# Altium PCB ALCT_MEZ_LX100.PcbDoc (part 7 of 10) (continued)
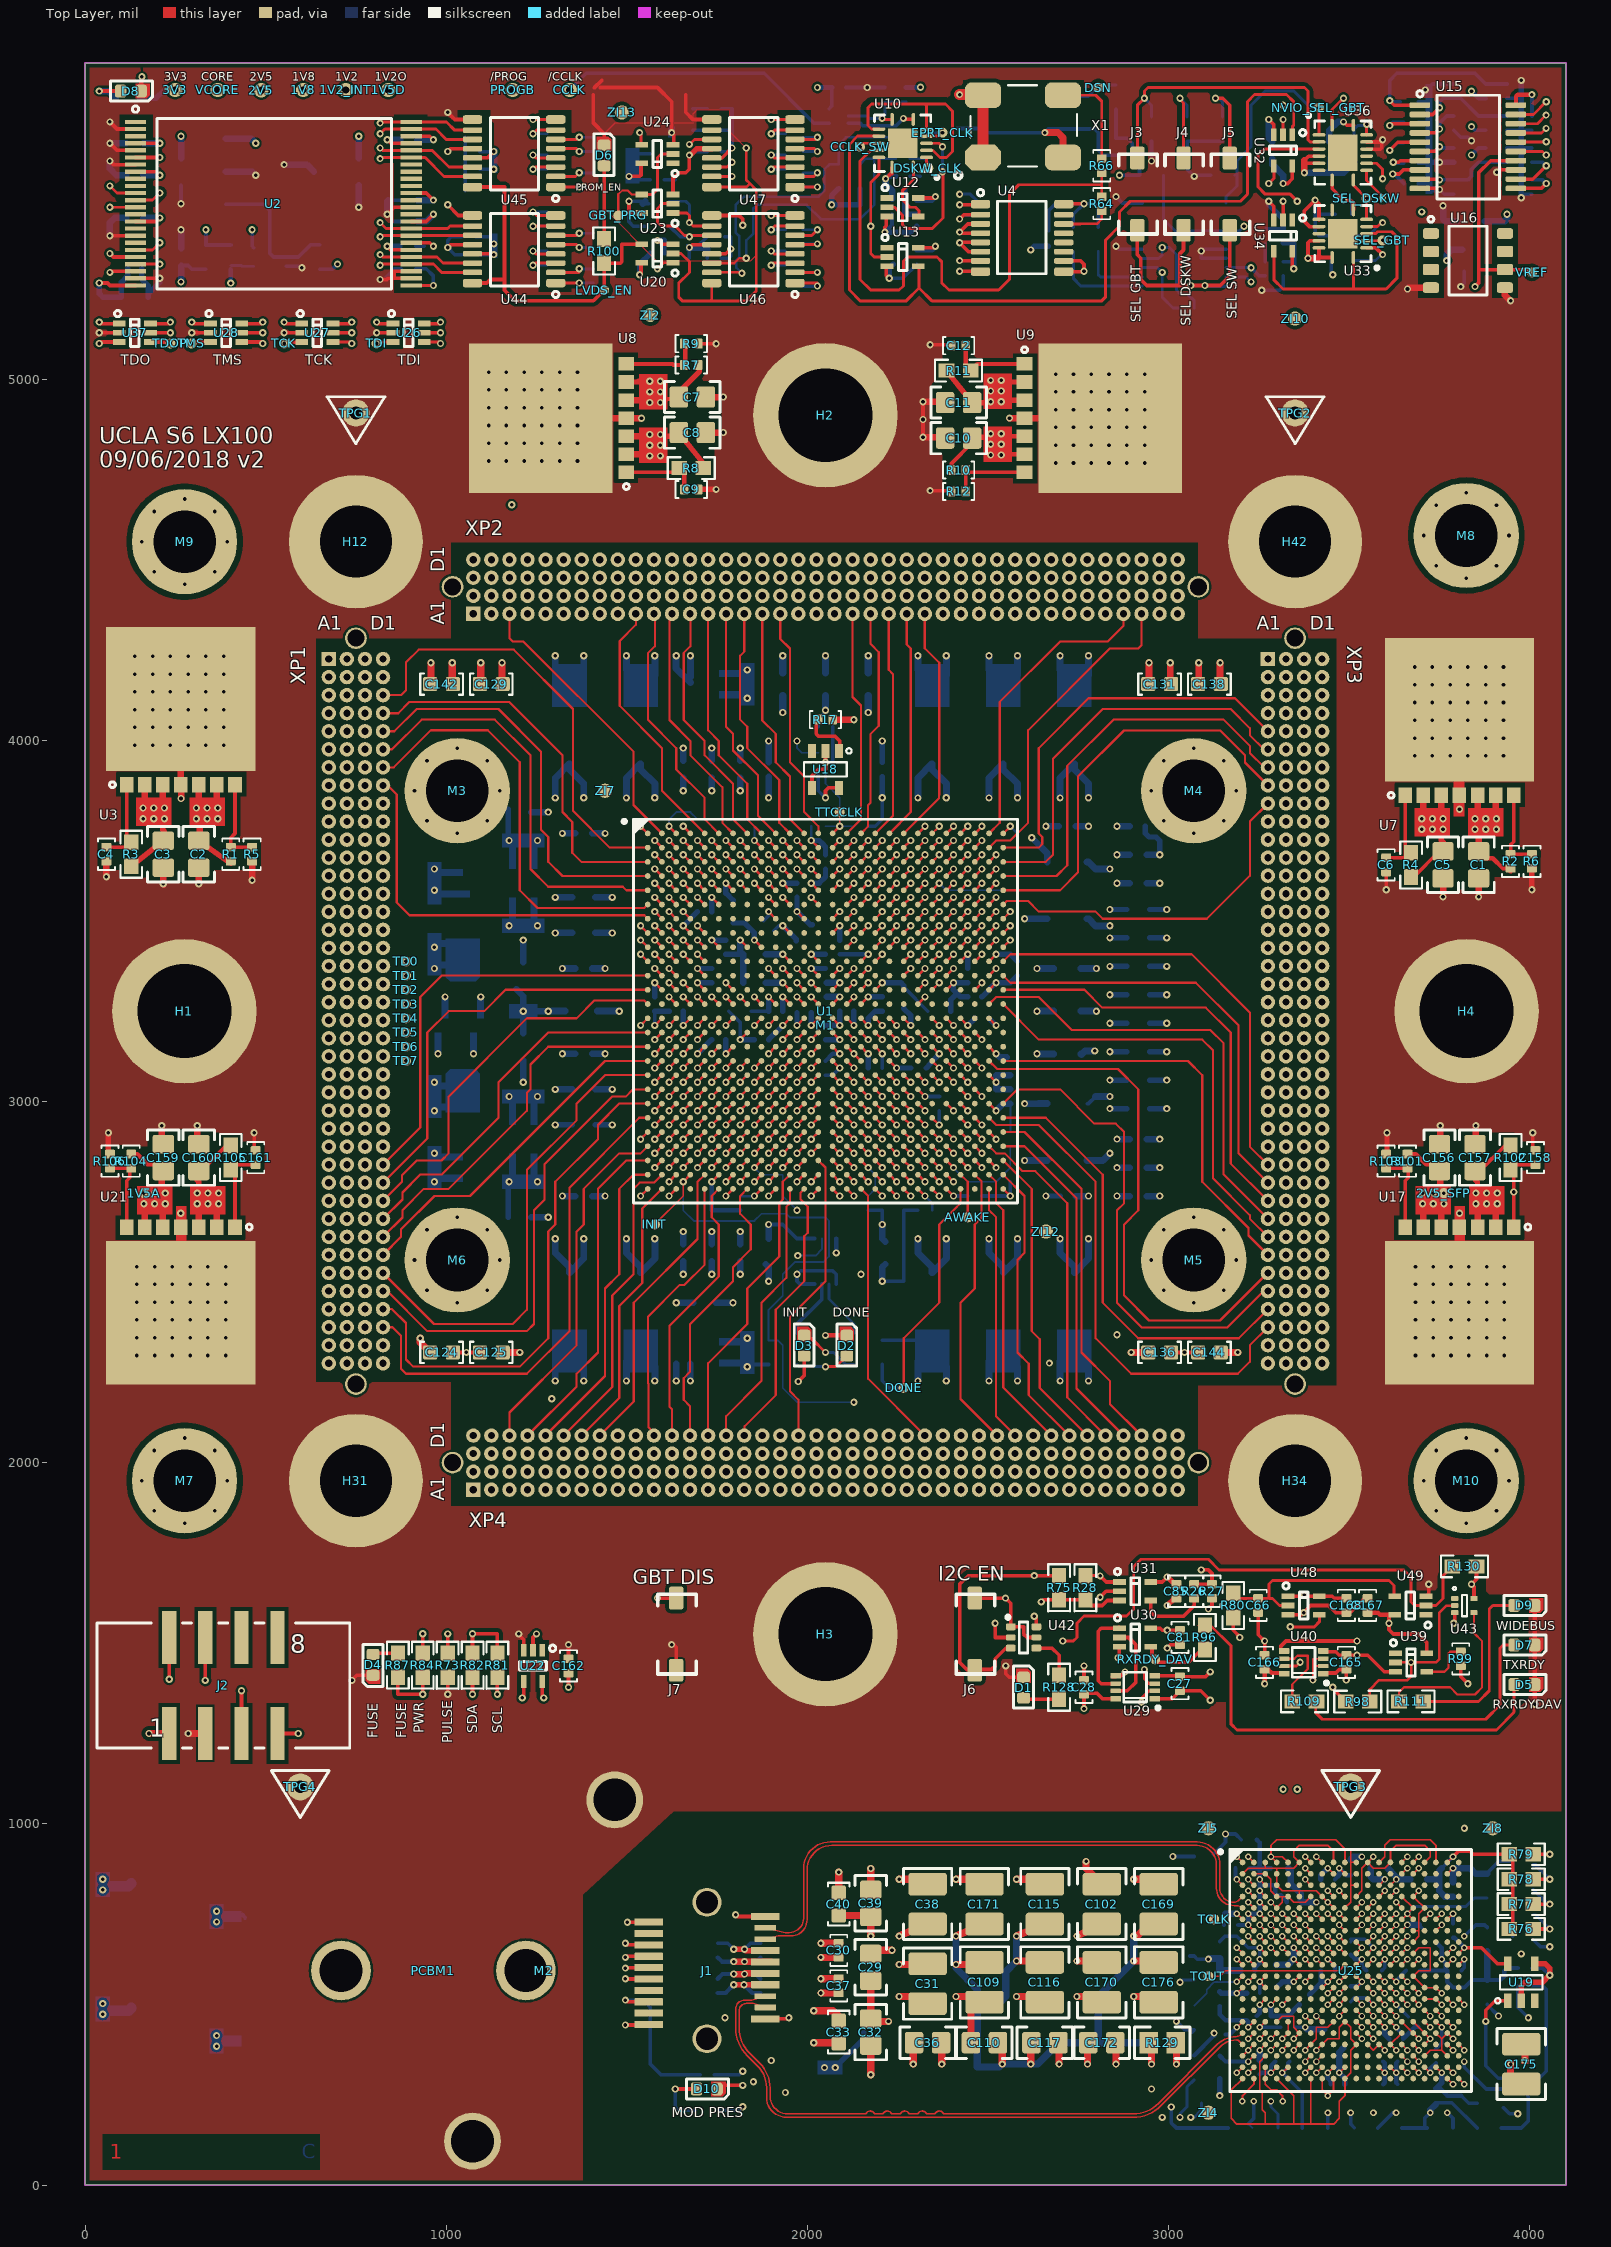
[diagram p0: Top Layer view]
## Nets (pads, with @x,y where several pads share a name; then routed paths per layer and width w, separated by ;. In a path a pad name is that pad's centre, name@x,y a point inside that pad or via, vN(x,y) a via of type N, cw(c..) or ccw(c..) an arc to the next point about the centre after c; other vN are vias at no path point) (continued)
  Mid-Layer 6 w5: v1(206.69,5318.31) 190.16,5318.31 167.32,5295.47 167.32,5098.62 196.85,5069.09 462.6,5069.09 v1(492.13,5098.62)
  Mid-Layer 10 w5: v1(206.69,5318.31) 223.23,5334.84 659.45,5334.84 660.91,5336.31 719.97,5336.31 787.4,5403.74 787.4,5521.85 954.72,5689.17 1102.36,5689.17 1161.22,5748.03 1250,5748.03 1259.84,5738.19 1259.84,5216.73 1250,5206.89 1250,5059.25 1240.16,5049.41 1240.16,4625.98 1220.47,4606.3 993.9,4606.3 947.64,4560.04 947.64,4362.2 927.95,4342.52 927.95,4076.77 947.64,4057.09 1912.2,4057.09 1931.89,4037.4 1931.89,3899.61 2050,3781.5 2050,3624.02 2424.02,3624.02 2424.02,3663.39 v1(2443.7,3683.07)
TMS_Pr: TMS.1 U28.3 U35.9 XP2.C7 | length 5152.8
  Top Layer w10: v1(295.28,5098.62) 299.21,5102.56 U28.3@347.11,5102.56
  Mid-Layer 2 w5: XP2.C7@1375,4450 1400,4475 1400,4608.86 1427.17,4636.02 1427.17,5059.25 1407.48,5078.94 1377.95,5078.94 1318.9,5078.94 669.29,5078.94 659.45,5088.78 659.45,5167.52 649.61,5177.36 413.39,5177.36 403.54,5167.52 403.54,5108.46 393.7,5098.62 v1(295.28,5098.62) 285.43,5098.62 275.59,5108.46 275.59,5177.36 295.28,5197.05 895.67,5197.05 915.35,5177.36 1053.15,5177.36 1072.83,5197.05 3156.3,5197.05 v1(3228.35,5269.09)
  Bottom Layer w8: U35.9@3159.45,5282.87 3214.57,5282.87 v1(3228.35,5269.09)
ttc_cfg: R65.1 U14.4 | length 2134.2
  Mid-Layer 8 w5: v1(1971.26,3998.03) 1950,4019.29 1950,4528.94 1978.35,4557.28 2362.24,4557.28 2460.63,4655.67 2460.63,5502.17 2450.79,5512.01 v1(2421.26,5512.01)
  Bottom Layer w5: v1(1971.26,3998.03) 1971.26,3978.35 1984.06,3965.55 U14.4@2030.32,3965.55
  Bottom Layer w8: v1(2421.26,5512.01) 2450.79,5512.01 R65.1@2470.47,5492.32
ttc_cfg_term: R65.2 U4.2 | length 116.3
  Top Layer w10: v1(2421.26,5443.11) 2433.27,5455.12 U4.2@2479.33,5455.12
  Bottom Layer w8: v1(2421.26,5443.11) 2431.1,5452.95 R65.2@2470.47,5452.95
tx_dav_done: R26.1 U31.4 | length 188.4
  Top Layer w10: U31.4@2950.79,1618.31 2950.79,1586.81 2962.6,1575 3041.34,1575 3070.87,1604.53 R26.1@3070.87,1624.21
tx_dav_done_lv: R26.2 R27.1 U25.N11 | length 2630.4
  Top Layer w5: U25.N11@3519.69,515.16 v2(3535.43,499.41)
  Top Layer w10: R26.2@3070.87,1663.58 R27.1@3110.24,1663.58 ; v1(3090.55,1702.95) 3110.24,1702.95 3120.08,1693.11 R27.1@3120.08,1663.58
  Mid-Layer 4 w4: 2992.13,1407.68 3100.39,1299.41 3434.25,1299.41 3582.93,1150.74 3582.93,609.65 3582.68,609.65 3551.18,578.15 3551.18,515.16 v2(3535.43,499.41)
  Mid-Layer 4 w5: 2992.13,1407.68 2984.86,1407.68 2947.37,1445.16 2882.17,1445.16 2875.68,1438.67 2796.74,1438.67 2795.28,1437.2 2775.59,1456.89 2775.59,1702.95 2795.28,1722.64 2893.7,1722.64 2933.07,1683.27 2933.07,1525.79 2951.07,1507.79 3001.97,1507.79 3051.18,1557 3051.18,1663.58 v1(3090.55,1702.95)
unused1: U1.Y21
unused2: U1.AA22
unused5: U1.R10
unused6: U1.T9
unused7: U1.T8
unused8: U1.R7
unused9: U1.R6
unused10: U1.P8
unused11: U1.R9
unused12: U1.M10
unused13: U1.M9
unused14: U1.M8
unused15: U1.L4
unused16: U1.M6
unused17: U1.L7
unused18: U1.L6
unused19: U1.K8
unused20: U1.L8
unused21: U1.N2
unused22: U1.K7
unused23: U1.K6
unused24: U1.J7
unused25: U1.H7
unused26: U1.K10
unused27: U1.L9
unused28: U1.H6
unused29: U1.J10
unused30: U1.K9
unused31: U1.G6
unused32: U1.G5
unused33: U1.H8
unused34: U1.G7
unused35: U1.G8
unused36: U1.F7
unused37: U1.F9
unused38: U1.J14
unused39: U1.G16
unused40: U1.W22
VREF: C25.1 R19.2 U15.14 U16.6 VREF.1 | length 692.8
  Top Layer w10: v1(3848.43,5256.1) 3858.27,5265.94 3858.27,5303.15 ; U15.14@3961.61,5604.72 3891.93,5604.72 3858.27,5571.06 3858.27,5303.15 ; VREF.1@4005.91,5295.47 3998.23,5303.15 U16.6@3931.24,5303.15 3858.27,5303.15
  Bottom Layer w10: v1(3848.43,5256.1) 3858.27,5265.94 C25.1@3858.27,5298.62 R19.2@3858.27,5357.68
VTfpga: R17.1 U18.1 | length 141
  Top Layer w10: R17.1@2024.41,4057.09 2024.41,4017.53 2030.32,4011.62 2075.78,4011.62 2089.37,3998.03 2089.37,3972.44 U18.1@2087.4,3970.47
VTfpga_adc: C20.1 R17.2 U15.11 | length 3094.8
  Top Layer w10: U15.11@3961.61,5527.95 4031.69,5527.95 v1(4045.28,5541.54)
  Top Layer w18: R17.2@2075.59,4057.09 v1(2128.74,4057.09)
  Mid-Layer 4 w15: 2135.83,4596.65 3021.65,4596.65 3080.71,4655.71 3080.71,5069.09 3159.45,5147.83 3651.58,5147.83 3700.79,5197.05 v3(3700.79,5462.8)
  Mid-Layer 4 w18: v1(2128.74,4057.09) 2128.74,4251
  Mid-Layer 8 w15: v3(3700.79,5462.8) 3720.47,5443.11 3769.69,5443.11 3868.11,5541.54 v1(4045.28,5541.54)
  Bottom Layer w10: C20.1@4005.91,5551.38 4035.43,5551.38 v1(4045.28,5541.54)
VTgbtx: R18.1 U19.1 | length 688.3
  Top Layer w10: v3(3877.95,452.95) 3877.95,483.66 3904.32,510.04 U19.1@3938.98,510.04
  Mid-Layer 2 w10: v3(3877.95,452.95) v3@3881.1,452.95
  Bottom Layer w10: v3(3877.95,452.95) 3877.95,330.13 3912.6,295.47 4025.59,295.47 4045.28,315.16 4045.28,541.54 4035.43,551.38 R18.1@4005.91,551.38
VTgbtx_adc: C21.1 R18.2 U15.12 | length 5491.8
  Top Layer w10: U15.12@3961.61,5553.54 4008.07,5553.54 v1(4045.28,5590.75)
  Mid-Layer 6 w10: v1(3996.06,462.8) 4055.12,462.8 4078,485.68 4078,961.57 4055.12,984.45 4055.12,1210.83 4055.12,3494.29 4055.12,3691.14 4055.12,5275.79 4005.91,5325 4005.91,5561.22 4035.43,5590.75 v1(4045.28,5590.75)
  Bottom Layer w10: R18.2@3966.54,551.38 3966.54,492.32 v1(3996.06,462.8) ; C21.1@4005.91,5600.59 4035.43,5600.59 v1(4045.28,5590.75)
XP1A_3: U1.E4 XP1.A3 | length 1423.3
  Top Layer w7: v1(1656.3,3604.33) U1.E4@1675.98,3584.65
  Mid-Layer 4 w5: XP1.A3@675,4125 700,4150 1130.32,4150 1341.34,3938.98 1341.34,3830.71 1400.39,3771.65 1400.39,3604.33 1420.08,3584.65 1636.61,3584.65 v1(1656.3,3604.33)
XP1A_4: U1.F5 XP1.A4 | length 1431.4
  Top Layer w7: v1(1695.67,3564.96) U1.F5@1715.35,3545.28
  Mid-Layer 6 w5: XP1.A4@675,4075 700,4100 1249.21,4100 1469.29,3879.92 1469.29,3622.33 1506.98,3584.65 1675.98,3584.65 v1(1695.67,3564.96)
XP1A_5: U1.G4 XP1.A5 | length 1398.1
  Top Layer w7: v1(1656.3,3525.59) U1.G4@1675.98,3505.91
  Mid-Layer 6 w5: XP1.A5@675,4025 700,4050 1210.63,4050 1410.24,3850.39 1410.24,3574.8 1439.58,3545.46 1488.79,3545.46 1488.98,3545.28 1636.61,3545.28 v1(1656.3,3525.59)
XP1A_6: U1.H5 XP1.A6 | length 1427.3
  Top Layer w7: v1(1695.67,3486.22) U1.H5@1715.35,3466.54
  Mid-Layer 6 w5: XP1.A6@675,3975 700,4000 1201.58,4000 1351.18,3850.39 1351.18,3584.65 1429.92,3505.91 1675.98,3505.91 v1(1695.67,3486.22)
XP1A_7: U1.J3 XP1.A7 | length 1400.7
  Top Layer w7: v1(1616.93,3446.85) U1.J3@1636.61,3427.16
  Mid-Layer 6 w5: XP1.A7@675,3925 700,3950 867.72,3950 888.58,3929.13 888.58,3594.49 967.32,3515.75 1321.65,3515.75 1390.37,3447.04 1489.16,3447.04 1508.66,3466.54 1597.24,3466.54 v1(1616.93,3446.85)
XP1A_8: U1.K1 XP1.A8 | length 1286.7
  Top Layer w7: v1(1538.19,3407.48) U1.K1@1557.87,3387.79
  Mid-Layer 4 w5: XP1.A8@675,3875 700,3850 850,3850 875,3825 875,3480.12 947.64,3407.48 v1(1538.19,3407.48)
XP1A_22: U1.K3 XP1.A22 | length 1066.1
  Top Layer w7: v1(1616.93,3407.48) U1.K3@1636.61,3387.79
  Mid-Layer 4 w5: XP1.A22@675,3175 700,3200 850,3200 860.63,3210.63 1124.8,3210.63 1301.97,3387.8 1597.24,3387.8 v1(1616.93,3407.48)
XP1A_23: U1.U4 XP1.A23 | length 1054.8
  Top Layer w7: v1(1656.3,3092.52) U1.U4@1675.98,3112.2
  Mid-Layer 10 w5: XP1.A23@675,3125 699.5,3100.5 850,3100.5 857.98,3092.52 882.48,3092.52 ; 898.43,3092.52 882.48,3092.52 ; v1@1656.3,3092.52 1636.61,3112.2 967.32,3112.2 947.64,3092.52 882.48,3092.52
XP1A_29: U1.J4 XP1.A29 | length 1531.9
  Top Layer w7: v1(1656.3,3446.85) U1.J4@1675.98,3427.16
  Mid-Layer 6 w5: XP1.A29@675,2825 700,2850 852.76,2850 908.27,2905.51 908.27,3358.27 947.64,3397.64 996.85,3397.64 1026.38,3427.17 1636.61,3427.17 v1(1656.3,3446.85)
XP1A_30: U1.K5 XP1.A30 | length 1546.9
  Top Layer w7: v1(1695.67,3407.48) U1.K5@1715.35,3387.79
  Mid-Layer 6 w5: XP1.A30@675,2775 700,2800 851.97,2800 947.64,2895.67 947.64,3299.21 1036.22,3387.8 1675.98,3387.8 v1(1695.67,3407.48)
XP1A_31: U1.L3 XP1.A31 | length 1443.7
  Top Layer w7: v1(1616.93,3368.11) U1.L3@1636.61,3348.42
  Mid-Layer 6 w5: XP1.A31@675,2725 700,2750 861.02,2750 937.8,2826.77 937.8,2856.3 995.17,2913.67 995.17,3238.47 1105.12,3348.43 1361.02,3348.43 1597.24,3348.43 v1(1616.93,3368.11)
XP1A_32: U1.N5 XP1.A32 | length 1492.3
  Top Layer w7: v1(1695.67,3289.37) U1.N5@1715.35,3269.68
  Mid-Layer 6 w5: XP1.A32@675,2675 700,2700 850.39,2700 1026.38,2875.98 1026.38,3171.26 1164.17,3309.06 1675.98,3309.06 v1(1695.67,3289.37)
XP1A_33: U1.N6 XP1.A33 | length 1558.1
  Top Layer w7: v1(1735.04,3289.37) U1.N6@1754.72,3269.68
  Mid-Layer 6 w5: XP1.A33@675,2625 700.5,2650.5 869.79,2650.5 1057.59,2838.3 1057.59,3143.42 1203.54,3289.37 1538.19,3289.37 1557.87,3269.69 1715.35,3269.69 v1(1735.04,3289.37)
XP1A_34: U1.N7 XP1.A34 | length 1595.1
  Top Layer w7: v1(1774.41,3289.37) U1.N7@1794.09,3269.68
  Mid-Layer 6 w5: XP1.A34@675,2575 700,2600 858.66,2600 1114.96,2856.3 1114.96,3122.05 1262.6,3269.69 1518.51,3269.69 1538.19,3250 1735.04,3250 v1(1774.41,3289.37)
XP1A_35: U1.N8 XP1.A35 | length 1980.3
  Top Layer w7: v1(1813.78,3289.37) U1.N8@1833.46,3269.68
  Mid-Layer 6 w5: XP1.A35@675,2525 700,2550 850.39,2550 888.58,2511.81 888.58,2482.28 947.64,2423.23 1114.96,2423.23 1193.7,2501.97 1193.7,3141.73 1282.28,3230.32 1754.72,3230.32 v1(1813.78,3289.37)
XP1A_36: U1.P7 XP1.A36 | length 1860.2
  Top Layer w7: v1(1774.41,3210.63) U1.P7@1794.09,3230.31
  Mid-Layer 6 w5: XP1.A36@675,2475 700,2500 841.34,2500 937.8,2403.54 1124.8,2403.54 1242.91,2521.65 1242.91,2718.5 1233.07,2728.35 1233.07,3092.52 1331.5,3190.95 1754.72,3190.95 v1(1774.41,3210.63)
XP1A_37: U1.R5 XP1.A37 | length 1744.8
  Top Layer w7: v1(1695.67,3171.26) U1.R5@1715.35,3190.94
  Mid-Layer 6 w5: XP1.A37@675,2425 700,2450 850,2450 925.98,2374.02 1134.65,2374.02 1282.28,2521.65 1282.28,2629.92 1301.97,2649.61 1301.97,2728.35 1272.44,2757.87 1272.44,2954.72 1331.5,3013.78 1331.5,3082.68 1400.39,3151.57 1675.98,3151.57 v1(1695.67,3171.26)
XP1A_38: U1.W3 XP1.A38 | length 1594.9
  Top Layer w7: v1(1616.93,3013.78) U1.W3@1636.61,3033.46
  Mid-Layer 4 w5: XP1.A38@675,2375 700,2350 843.7,2350 947.64,2246.06 1203.54,2246.06 1479.13,2521.65 1479.13,2639.76 1498.82,2659.45 1498.82,2679.13 1498.82,2974.41 1518.5,2994.09 1597.24,2994.09 v1(1616.93,3013.78)
XP1B_3: U1.G3 XP1.B3 | length 1358.3
  Top Layer w7: v1(1616.93,3525.59) U1.G3@1636.61,3505.91
  Mid-Layer 4 w5: XP1.B3@725,4125 750.5,4099.5 1141.45,4099.5 1252.76,3988.19 1252.76,3760.13 1339.65,3673.23 1339.65,3576.49 1370.68,3545.46 1597.06,3545.46 v1(1616.93,3525.59)
XP1B_4: U1.H3 XP1.B4 | length 1377
  Top Layer w7: v1(1616.93,3486.22) U1.H3@1636.61,3466.54
  Mid-Layer 4 w5: XP1.B4@725,4075 750,4050 1151.58,4050 1213.39,3988.19 1213.39,3624.02 1321.65,3515.75 1508.66,3515.75 1518.51,3505.9 1597.24,3505.9 v1(1616.93,3486.22)
XP1B_5: U1.J5 XP1.B5 | length 1526.9
  Top Layer w7: v1(1695.67,3446.85) U1.J5@1715.35,3427.16
  Mid-Layer 4 w5: XP1.B5@725,4025 750.5,3999.5 850,3999.5 878.06,4027.56 1134.65,4027.56 1193.7,3968.5 1193.7,3781.5 1144.49,3732.28 1144.49,3633.86 1292.31,3486.04 1479.13,3486.04 1498.82,3466.35 1676.17,3466.35 v1(1695.67,3446.85)
XP1B_6: U1.J1 XP1.B6 | length 1442
  Top Layer w7: v1(1538.19,3446.85) U1.J1@1557.87,3427.16
  Mid-Layer 4 w5: XP1.B6@725,3975 750,3950 860.24,3950 908.27,3998.03 1134.65,3998.03 1166.43,3966.25 1166.43,3793.59 1114.96,3742.13 1114.96,3505.91 1154.33,3466.54 1223.23,3466.54 1242.91,3446.85 v1(1538.19,3446.85)
XP1B_7: U1.J2 XP1.B7 | length 1279.9
  Top Layer w7: v1(1577.56,3446.85) U1.J2@1597.24,3427.16
  Mid-Layer 4 w5: XP1.B7@725,3925 750.5,3899.5 835.15,3899.5 903.3,3831.35 903.3,3515 973.14,3445.16 1179.77,3445.16 1197.59,3427.35 1558.06,3427.35 v1(1577.56,3446.85)
XP1B_8: U1.H1 XP1.B8 | length 1120
  Top Layer w7: v1(1538.19,3486.22) U1.H1@1557.87,3466.54
  Mid-Layer 2 w5: XP1.B8@725,3875 750,3850 850,3850 875,3825 875,3651.51 1059.98,3466.54 1272.44,3466.54 1292.13,3486.22 v1(1538.19,3486.22)
XP1B_22: U1.M3 XP1.B22 | length 1057.4
  Top Layer w7: v1(1616.93,3328.74) U1.M3@1636.61,3309.05
  Mid-Layer 2 w5: XP1.B22@725,3175 750,3200 850,3200 860.63,3210.63 1006.69,3210.63 1026.38,3230.32 1026.38,3328.74 1046.06,3348.43 1597.24,3348.43 v1(1616.93,3328.74)
XP1B_23: U1.N3 XP1.B23 | length 1050.3
  Top Layer w7: v1(1616.93,3289.37) U1.N3@1636.61,3269.68
  Mid-Layer 2 w5: XP1.B23@725,3125 750,3150 850,3150 871.26,3171.26 1026.38,3171.26 1065.75,3210.63 1065.75,3289.37 1085.43,3309.06 1597.24,3309.06 v1(1616.93,3289.37)
XP1B_29: U1.L2 XP1.B29 | length 1120.3
  Top Layer w7: v1(1577.56,3368.11) U1.L2@1597.24,3348.42
  Mid-Layer 4 w5: XP1.B29@725,2825 750.5,2850.5 882.78,2850.5 1065.75,3033.46 1065.75,3058.92 1355.25,3348.43 1557.87,3348.43 v1(1577.56,3368.11)
XP1B_30: U1.M4 XP1.B30 | length 1188.8
  Top Layer w7: v1(1656.3,3328.74) U1.M4@1675.98,3309.05
  Mid-Layer 4 w5: XP1.B30@725,2775 750,2800 750,2800.5 882,2800.5 1390.55,3309.06 1636.61,3309.06 v1(1656.3,3328.74)
XP1B_31: U1.N4 XP1.B31 | length 1236.6
  Top Layer w7: v1(1656.3,3289.37) U1.N4@1675.98,3269.68
  Mid-Layer 4 w5: XP1.B31@725,2725 750.5,2750.5 900.89,2750.5 1021.85,2871.45 1021.85,2896.91 1156.72,3031.78 1231.39,3031.78 1292.13,3092.52 1292.13,3141.73 1419.89,3269.5 1636.43,3269.5 v1(1656.3,3289.37)
XP1B_32: U1.P6 XP1.B32 | length 1391.4
  Top Layer w7: v1(1735.04,3210.63) U1.P6@1754.72,3230.31
  Mid-Layer 4 w5: XP1.B32@725,2675 750,2700 929.13,2700 967.32,2738.19 1164.17,2738.19 1282.28,2856.3 1282.28,3053.15 1459.45,3230.32 1715.35,3230.32 v1(1735.04,3210.63)
XP1B_33: U1.R4 XP1.B33 | length 1351.6
  Top Layer w7: v1(1656.3,3171.26) U1.R4@1675.98,3190.94
  Mid-Layer 4 w5: XP1.B33@725,2625 750,2650 918.5,2650 967.32,2698.82 1223.23,2698.82 1321.65,2797.24 1321.65,3053.15 1459.45,3190.95 1636.61,3190.95 v1(1656.3,3171.26)
XP1B_34: U1.T4 XP1.B34 | length 1607.4
  Top Layer w7: v1(1656.3,3131.89) U1.T4@1675.98,3151.57
  Mid-Layer 4 w5: XP1.B34@725,2575 750.5,2549.5 835.15,2549.5 849.5,2535.15 849.5,2531.2 967.32,2413.39 1203.54,2413.39 1361.02,2570.87 1361.02,3023.62 1488.79,3151.39 1636.8,3151.39 v1(1656.3,3131.89)
XP1B_35: U1.T6 XP1.B35 | length 1700.2
  Top Layer w7: v1(1735.04,3131.89) U1.T6@1754.72,3151.57
  Mid-Layer 4 w5: XP1.B35@725,2525 750,2500 850,2500 985.83,2364.17 1213.39,2364.17 1398.71,2549.5 1398.71,2680.82 1390.55,2688.98 1390.55,3003.94 1498.82,3112.2 1715.35,3112.2 v1(1735.04,3131.89)
XP1B_36: U1.U3 XP1.B36 | length 1549
  Top Layer w7: v1(1616.93,3092.52) U1.U3@1636.61,3112.2
  Mid-Layer 4 w5: XP1.B36@725,2475 750,2450 861.81,2450 987.01,2324.8 1203.54,2324.8 1420.08,2541.34 1420.08,2966.52 1526.4,3072.83 1597.24,3072.83 v1(1616.93,3092.52)
XP1B_37: U1.V4 XP1.B37 | length 1600.2
  Top Layer w7: v1(1656.3,3053.15) U1.V4@1675.98,3072.83
  Mid-Layer 4 w5: XP1.B37@725,2425 750,2400 834.65,2400 959.06,2275.59 1199.47,2275.59 1449.61,2525.73 1449.61,2649.61 1479.13,2679.13 1479.13,2994.09 1518.5,3033.46 1636.61,3033.46 v1(1656.3,3053.15)
XP1B_38: U1.AA3 XP1.B38 | length 1476.4
  Top Layer w7: v1(1616.93,2935.04) U1.AA3@1636.61,2954.72
  Mid-Layer 10 w5: XP1.B38@725,2375 725,2374 749,2350 875,2350 900.2,2324.8 1262.6,2324.8 1341.34,2403.54 1341.34,2885.83 1370.87,2915.35 1597.24,2915.35 v1(1616.93,2935.04)
XP1C_3: U1.C2 XP1.C3 | length 1059.2
  Top Layer w7: v1(1577.56,3683.07) U1.C2@1597.24,3663.39
  Mid-Layer 2 w5: XP1.C3@775,4125 799.5,4149.5 1101.29,4149.5 1447.22,3803.57 1447.22,3760.13 1524.27,3683.07 v1(1577.56,3683.07)
XP1C_4: U1.D3 XP1.C4 | length 1100.9
  Top Layer w7: v1(1616.93,3643.7) U1.D3@1636.61,3624.02
  Mid-Layer 2 w5: XP1.C4@775,4075 799.5,4099.5 1111.92,4099.5 1341.34,3870.08 1341.34,3815.1 1492.86,3663.57 1597.06,3663.57 v1(1616.93,3643.7)
XP1C_5: U1.E2 XP1.C5 | length 1123
  Top Layer w7: v1(1577.56,3604.33) U1.E2@1597.24,3584.65
  Mid-Layer 2 w5: XP1.C5@775,4025 799.5,4049.5 1122.55,4049.5 1230.58,3941.47 1230.58,3774.15 1400.39,3604.33 v1(1577.56,3604.33)
XP1C_6: U1.E3 XP1.C6 | length 1238.8
  Top Layer w7: v1(1616.93,3604.33) U1.E3@1636.61,3584.65
  Mid-Layer 2 w5: XP1.C6@775,3975 799.5,3999.5 870.37,3999.5 898.43,4027.56 1105.12,4027.56 1203.54,3929.13 1203.54,3663.39 1282.28,3584.65 1597.24,3584.65 v1(1616.93,3604.33)
XP1C_7: U1.F3 XP1.C7 | length 1293.1
  Top Layer w7: v1(1616.93,3564.96) U1.F3@1636.61,3545.28
  Mid-Layer 2 w5: XP1.C7@775,3925 799.5,3949.5 869.58,3949.5 918.11,3998.03 1105.12,3998.03 1174.02,3929.13 1174.02,3771.65 1144.49,3742.13 1144.49,3663.39 1262.6,3545.28 1597.24,3545.28 v1(1616.93,3564.96)
XP1C_8: U1.G2 XP1.C8 | length 1069.8
  Top Layer w7: v1(1577.56,3525.59) U1.G2@1597.24,3505.91
  Mid-Layer 2 w5: XP1.C8@775,3875 800,3900 848.82,3900 894.2,3854.61 894.2,3756.19 1144.49,3505.91 1233.07,3505.91 1252.76,3525.59 v1(1577.56,3525.59)
XP1C_29: U1.P5 XP1.C29 | length 1124.5
  Top Layer w7: v1(1695.67,3210.63) U1.P5@1715.35,3230.31
  Mid-Layer 2 w5: XP1.C29@775,2825 800,2850 892.13,2850 1272.44,3230.31 1675.98,3230.31 v1(1695.67,3210.63)
XP1C_30: U1.P3 XP1.C30 | length 1073.3
  Top Layer w7: v1(1616.93,3210.63) U1.P3@1636.61,3230.31
  Mid-Layer 2 w5: XP1.C30@775,2775 800,2800 960.24,2800 1006.69,2846.46 1006.69,2885.83 1311.81,3190.95 1597.24,3190.95 v1(1616.93,3210.63)
XP1C_31: U1.P1 XP1.C31 | length 1108.1
  Top Layer w7: v1(1538.19,3210.63) U1.P1@1557.87,3230.31
  Mid-Layer 8 w5: XP1.C31@775,2725 800,2750 906.3,2750 927.95,2728.35 996.85,2728.35 1134.65,2866.14 1134.65,3033.46 1311.81,3210.63 v1(1538.19,3210.63)
XP1C_32: U1.R2 XP1.C32 | length 1166.2
  Top Layer w7: v1(1577.56,3171.26) U1.R2@1597.24,3190.94
  Mid-Layer 8 w5: XP1.C32@775,2675 800,2650 908.27,2650 957.09,2698.82 1036.22,2698.82 1183.86,2846.46 1183.86,2984.25 1282.28,3082.68 1282.28,3131.89 1321.65,3171.26 v1(1577.56,3171.26)
XP1C_33: U1.R3 XP1.C33 | length 1130.6
  Top Layer w7: v1(1616.93,3171.26) U1.R3@1636.61,3190.94
  Mid-Layer 2 w5: XP1.C33@775,2625 800,2650 888.98,2650 1046.26,2807.28 1065.95,2807.28 1223.23,2964.57 1223.23,3023.62 1262.6,3062.99 1301.97,3062.99 1390.55,3151.57 1597.24,3151.57 v1(1616.93,3171.26)
XP1C_34: U1.T3 XP1.C34 | length 1100.4
  Top Layer w7: v1(1616.93,3131.89) U1.T3@1636.61,3151.57
  Mid-Layer 2 w5: XP1.C34@775,2575 800.39,2600.39 875,2600.39 1062.01,2787.4 1085.43,2787.4 1410.24,3112.2 1597.24,3112.2 v1(1616.93,3131.89)
XP1C_35: U1.U2 XP1.C35 | length 1319.2
  Top Layer w7: v1(1577.56,3092.52) U1.U2@1597.24,3112.2
  Mid-Layer 10 w5: XP1.C35@775,2525 800,2550 867.72,2550 927.95,2610.24 927.95,3043.31 957.48,3072.83 1557.87,3072.83 v1(1577.56,3092.52)
XP1C_36: U1.V3 XP1.C36 | length 1449
  Top Layer w7: v1(1616.93,3053.15) U1.V3@1636.61,3072.83
  Mid-Layer 2 w5: XP1.C36@775,2475 800,2500 870.87,2500 947.64,2423.23 1134.65,2423.23 1193.7,2482.28 1193.7,2669.29 1144.49,2718.5 1144.49,2807.09 1390.55,3053.15 1479.13,3053.15 1498.82,3033.46 1597.24,3033.46 v1(1616.93,3053.15)
XP1C_37: U1.W2 XP1.C37 | length 1324.4
  Top Layer w7: v1(1577.56,3013.78) U1.W2@1597.24,3033.46
  Mid-Layer 2 w5: XP1.C37@775,2425 799.5,2400.5 1170.97,2400.5 1223.23,2452.76 1223.23,2688.98 1203.54,2708.66 1203.54,2797.24 1420.26,3013.96 1577.37,3013.96 v1(1577.56,3013.78)
XP1C_38: U1.AA2 XP1.C38 | length 1368.5
  Top Layer w7: v1(1577.56,2935.04) U1.AA2@1597.24,2954.72
  Mid-Layer 10 w5: XP1.C38@775,2375 800,2400 966.32,2400 967.32,2401 1203.54,2401 1233.07,2430.53 1233.07,2925.2 1262.6,2954.72 1557.87,2954.72 v1(1577.56,2935.04)
XP1D_3: U1.B1 XP1.D3 | length 1222.5
  Top Layer w6: XP1.D3@825,4125 875,4125 888.58,4138.58 888.58,4215.58 924,4251 1186.8,4251 1351.18,4086.61 1351.18,3804.55 1452.97,3702.76 1459.45,3702.76 ; 1459.45,3702.76 U1.B1@1557.87,3702.76
XP1D_4: U1.C1 XP1.D4 | length 1071.5
  Top Layer w6: XP1.D4@825,4075 867.13,4075 898.43,4106.3 1174.02,4106.3 1321.65,3958.66 1321.65,3801.18 1349.02,3773.81 1349.02,3688.59 1374.23,3663.39 U1.C1@1557.87,3663.39
XP1D_5: U1.D1 XP1.D5 | length 1117.2
  Top Layer w6: XP1.D5@825,4025 856.5,4025 918.11,4086.61 1144.49,4086.61 1262.6,3968.5 1262.6,3751.97 1282.28,3732.28 1282.28,3663.39 1321.65,3624.02 1498.82,3624.02 U1.D1@1557.87,3624.02
XP1D_6: U1.E1 XP1.D6 | length 1147.1
  Top Layer w6: XP1.D6@825,3975 850,3975 932.09,4057.09 1134.65,4057.09 1233.07,3958.66 1233.07,3643.7 1282.28,3594.49 1488.98,3594.49 1498.82,3584.65 U1.E1@1557.87,3584.65
XP1D_7: U1.F1 XP1.D7 | length 1190.8
  Top Layer w6: XP1.D7@825,3925 854.92,3925 957.48,4027.56 1114.96,4027.56 1203.54,3938.98 1203.54,3584.65 1252.76,3535.43 1548.03,3535.43 U1.F1@1557.87,3545.28
XP1D_8: U1.G1 XP1.D8 | length 1060.9
  Top Layer w6: XP1.D8@825,3875 838.19,3875 863.19,3850 863.19,3550.98 898.43,3515.75 1548.03,3515.75 U1.G1@1557.87,3505.91
XP1D_29: U1.L1 XP1.D29 | length 1161.4
  Top Layer w6: XP1.D29@825,2825 927.95,2927.95 927.95,3289.37 987.01,3348.42 U1.L1@1557.87,3348.42
XP1D_30: U1.M1 XP1.D30 | length 1125.9
  Top Layer w6: XP1.D30@825,2775 947.64,2897.64 947.64,3190.95 1006.69,3250 1105.12,3250 1164.17,3309.05 U1.M1@1557.87,3309.05
XP1D_31: U1.N1 XP1.D31 | length 1069.7
  Top Layer w6: XP1.D31@825,2725 877.56,2777.56 877.56,2796.06 918.11,2836.61 987.01,2836.61 1006.69,2856.3 1006.69,3013.78 1223.23,3230.32 1361.02,3230.32 1410.24,3279.53 1548.03,3279.53 U1.N1@1557.87,3269.68
XP1D_32: U1.R1 XP1.D32 | length 1015.8
  Top Layer w6: XP1.D32@825,2675 878.74,2728.74 878.74,2748.03 928.35,2797.64 987.4,2797.64 1144.49,2954.72 1144.49,3053.15 1282.28,3190.94 1529.59,3190.94 1529.9,3190.63 1557.56,3190.63 U1.R1@1557.87,3190.94
XP1D_33: U1.T1 XP1.D33 | length 1031.9
  Top Layer w6: XP1.D33@825,2625 878.74,2678.74 878.74,2698.82 937.8,2757.87 1006.69,2757.87 1223.23,2974.41 1223.23,3023.62 1233.07,3033.46 1233.07,3102.36 1282.28,3151.57 U1.T1@1557.87,3151.57
XP1D_34: U1.U1 XP1.D34 | length 967.6
  Top Layer w6: XP1.D34@825,2575 875,2625 875,2645.87 967.32,2738.19 1065.75,2738.19 1439.76,3112.2 U1.U1@1557.87,3112.2
XP1D_35: U1.V1 XP1.D35 | length 1330.4
  Top Layer w6: XP1.D35@825,2525 966.14,2383.86 1183.86,2383.86 1223.23,2423.23 1223.23,2810.45 1361.02,2948.25 1361.02,2994.09 1439.76,3072.83 U1.V1@1557.87,3072.83
XP1D_36: U1.W1 XP1.D36 | length 1298.2
  Top Layer w6: XP1.D36@825,2475 836.81,2475 947.64,2364.17 1223.23,2364.17 1242.91,2383.86 1242.91,2698.82 1272.44,2728.35 1272.44,2826.77 1459.13,3013.46 1497.32,3013.46 1517.32,3033.46 U1.W1@1557.87,3033.46
XP1D_37: U1.Y1 XP1.D37 | length 1424.9
  Top Layer w6: XP1.D37@825,2425 850,2425 888.58,2386.42 888.58,2285.43 908.27,2265.75 1203.54,2265.75 1282.28,2344.49 1282.28,2639.76 1301.97,2659.45 1301.97,2777.56 1420.08,2895.67 1420.08,2935.04 1479.13,2994.09 U1.Y1@1557.87,2994.09
XP1D_38: U1.AA1 XP1.D38 | length 1366.3
  Top Layer w6: XP1.D38@825,2375 851.38,2375 875,2351.38 875,2259.65 888.58,2246.06 1223.23,2246.06 1341.34,2364.17 1341.34,2761.5 1534.56,2954.72 U1.AA1@1557.87,2954.72
XP2A_3: U1.A2 XP2.A3 | length 800.3
  Top Layer w6: XP2.A3@1175,4350 1175,4282.48 1183.86,4273.62 1213.39,4273.62 1518.82,3968.19 1518.82,3832.27 1518.5,3831.95 1518.5,3820.87 U1.A2@1597.24,3742.13
XP2A_4: U1.A4 XP2.A4 | length 812
  Top Layer w7: v1(1656.3,3761.81) 1666.14,3751.97 U1.A4@1675.98,3742.13
  Mid-Layer 8 w5: XP2.A4@1225,4350 1225,4291.54 1253.64,4262.89 1253.64,4134.94 1587.4,3801.18 1616.93,3801.18 v1(1656.3,3761.81)
XP2A_10: U1.A5 XP2.A10 | length 723.7
  Top Layer w6: XP2.A10@1525,4350 1525,4319.49 1480.32,4274.81 1480.32,4095.27 1597.24,3978.35 1597.24,3860.24 U1.A5@1715.35,3742.13
XP2A_11: U1.A6 XP2.A11 | length 697.6
  Top Layer w6: XP2.A11@1575,4350 1577.56,4347.44 1577.56,4260.42 1559.06,4241.92 1559.06,4055.9 1636.61,3978.35 1636.61,3919.29 1715.35,3840.55 1715.35,3781.5 U1.A6@1754.72,3742.13
XP2A_12: U1.A7 XP2.A12 | length 683.6
  Top Layer w6: XP2.A12@1625,4350 1618.11,4343.11 1618.11,4055.9 1675.98,3998.03 1675.98,3958.66 1764.57,3870.08 1764.57,3771.65 U1.A7@1794.09,3742.13
XP2A_13: U1.A8 XP2.A13 | length 688.8
  Top Layer w6: XP2.A13@1675,4350 1675.98,4349.02 1675.98,4260.41 1657.48,4241.91 1657.48,4055.9 1715.35,3998.03 1715.35,3958.66 1794.09,3879.92 1794.09,3781.5 U1.A8@1833.46,3742.13
XP2A_14: U1.A9 XP2.A14 | length 669.1
  Top Layer w6: XP2.A14@1725,4350 1725,4027.76 1754.72,3998.03 1754.72,3958.66 1833.46,3879.92 1833.46,3781.5 U1.A9@1872.83,3742.13
XP2A_15: U1.A10 XP2.A15 | length 665.2
  Top Layer w6: XP2.A15@1775,4350 1774.41,4349.41 1774.41,4037.4 1794.09,4017.72 1794.09,3971.87 1862.99,3902.97 1862.99,3791.34 U1.A10@1912.2,3742.13
XP2A_16: U1.A11 XP2.A16 | length 669.6
  Top Layer w6: XP2.A16@1825,4350 1825,4245.47 1813.78,4234.25 1813.78,4057.09 1833.46,4037.4 1833.46,3978.35 1922.05,3889.76 1922.05,3771.65 U1.A11@1951.57,3742.13
XP2A_17: U1.A12 XP2.A17 | length 978.5
  Top Layer w6: 1874.52,4055.4 1874.52,4349.52 XP2.A17@1875,4350 1875,4054.92 1912.2,4017.72 1912.2,3938.98 1951.57,3899.61 1951.57,3781.5 ; U1.A12@1990.94,3742.13 1971.26,3761.81 ; 1951.57,3781.5 1971.26,3761.81 ; 1951.57,3781.5 1971.26,3761.81
XP2A_18: U1.A13 XP2.A18 | length 651.5
  Top Layer w6: XP2.A18@1925,4350 1925,4280.51 1951.57,4253.94 1951.57,3938.98 1990.95,3899.61 1990.95,3801.18 2030.31,3761.81 U1.A13@2030.31,3742.13
XP2A_19: U1.F10 XP2.A19 | length 863.4
  Top Layer w7: v1(1892.52,3564.96) U1.F10@1912.2,3545.28
  Mid-Layer 6 w5: v1(1892.52,3564.96) 1872.83,3584.64 1872.83,4214.57 1975,4316.73 XP2.A19@1975,4350
XP2A_22: U1.A15 XP2.A22 | length 633.9
  Top Layer w6: U1.A15@2109.05,3742.13 2148.43,3781.5 2148.43,4096.46 2125,4119.88 XP2.A22@2125,4350
XP2A_23: U1.A16 XP2.A23 | length 637.6
  Top Layer w6: U1.A16@2148.43,3742.13 2168.11,3761.81 2168.11,3820.87 2175,3827.76 2175,4017.72 2197.64,4040.35 2197.64,4244.09 2175,4266.73 XP2.A23@2175,4350
XP2A_24: U1.A17 XP2.A24 | length 633.2
  Top Layer w6: U1.A17@2187.8,3742.13 2237.01,3791.34 2237.01,4183.08 2225,4195.09 XP2.A24@2225,4350
XP2A_29: U1.B20 XP2.A29 | length 717.3
  Top Layer w6: U1.B20@2305.91,3702.76 v1(2325.59,3722.44)
  Mid-Layer 2 w5: v1(2325.59,3722.44) 2345.28,3742.13 2345.28,3879.92 2424.02,3958.66 2424.02,4273.62 2475,4324.61 XP2.A29@2475,4350
XP2A_37: U1.A25 XP2.A37 | length 839.4
  Top Layer w6: U1.A25@2502.76,3742.13 2532.28,3771.65 2532.28,4106.3 2699.61,4273.62 2831.63,4273.62 2875,4316.99 XP2.A37@2875,4350
XP2A_38: U1.B25 XP2.A38 | length 891.3
  Top Layer w6: U1.B25@2502.76,3702.76 2522.44,3722.44 2561.81,3722.44 2611.02,3771.65 2611.02,4027.56 2837.4,4253.94 2916.14,4253.94 2925,4262.8 XP2.A38@2925,4350
XP2B_3: U1.B2 XP2.B3 | length 931
  Top Layer w7: v1(1577.56,3722.44) U1.B2@1597.24,3702.76
  Mid-Layer 2 w5: XP2.B3@1175,4400 1150,4375 1150,4291.81 1131.82,4273.62 1131.82,4168.18 1498.82,3801.18 1498.82,3761.81 1538.19,3722.44 v1(1577.56,3722.44)
XP2B_4: U1.B4 XP2.B4 | length 884
  Top Layer w7: v1(1656.3,3722.44) U1.B4@1675.98,3702.76
  Mid-Layer 2 w5: XP2.B4@1225,4400 1250,4375 1250,4195.69 1636.61,3809.07 1636.61,3742.13 v1(1656.3,3722.44)
XP2B_10: U1.C4 XP2.B10 | length 836.2
  Top Layer w7: v1(1656.3,3683.07) U1.C4@1675.98,3663.39
  Mid-Layer 2 w5: XP2.B10@1525,4400 1500,4375 1500,4292.13 1516.82,4275.31 1516.82,3972.14 1675.98,3812.97 1675.98,3702.76 v1(1656.3,3683.07)
XP2B_11: U1.C5 XP2.B11 | length 831.8
  Top Layer w7: v1(1695.67,3683.07) U1.C5@1715.35,3663.39
  Mid-Layer 2 w5: XP2.B11@1575,4400 1550,4375 1550,3994.11 1715.35,3828.76 1715.35,3702.76 v1(1695.67,3683.07)
XP2B_12: U1.B6 XP2.B12 | length 811.1
  Top Layer w7: v1(1735.04,3722.44) U1.B6@1754.72,3702.76
  Mid-Layer 2 w5: XP2.B12@1625,4400 1600,4375 1600,3995.28 1646.46,3948.82 1685.83,3948.82 1754.72,3879.92 1754.72,3742.13 v1(1735.04,3722.44)
XP2B_13: U1.C7 XP2.B13 | length 822.8
  Top Layer w7: v1(1774.41,3683.07) U1.C7@1794.09,3663.39
  Mid-Layer 2 w5: XP2.B13@1675,4400 1650,4375 1650,4293.31 1657.98,4285.32 1657.98,4029.95 1784.25,3903.68 1784.25,3791.34 1793.91,3781.68 1793.91,3702.57 v1(1774.41,3683.07)
XP2B_14: U1.B8 XP2.B14 | length 777.4
  Top Layer w7: v1(1813.78,3722.44) U1.B8@1833.46,3702.76
  Mid-Layer 2 w5: XP2.B14@1725,4400 1700.5,4375.5 1700.5,4066.17 1831.78,3934.89 1831.78,3740.44 v1(1813.78,3722.44)
XP2B_15: U1.C9 XP2.B15 | length 813.7
  Top Layer w7: v1(1853.15,3683.07) U1.C9@1872.83,3663.39
  Mid-Layer 2 w5: XP2.B15@1775,4400 1750.5,4375.5 1750.5,4081 1872.83,3958.66 1872.83,3702.76 v1(1853.15,3683.07)
XP2B_16: U1.B10 XP2.B16 | length 770
  Top Layer w7: v1(1892.52,3722.44) U1.B10@1912.2,3702.76
  Mid-Layer 2 w5: XP2.B16@1825,4400 1800.5,4375.5 1800.5,4064.6 1912.2,3952.89 1912.2,3742.13 v1(1892.52,3722.44)
XP2B_17: U1.C11 XP2.B17 | length 804.8
  Top Layer w7: v1(1931.89,3683.07) U1.C11@1951.57,3663.39
  Mid-Layer 2 w5: XP2.B17@1875,4400 1850.5,4375.5 1850.5,4266.43 1872.83,4244.09 1872.83,4063.88 1941.73,3994.99 1941.73,3919.29 1951.39,3909.64 1951.39,3702.57 v1(1931.89,3683.07)